# Altium PCB OpenPLCv0.2.0.PcbDoc (part 4 of 6) (continued)
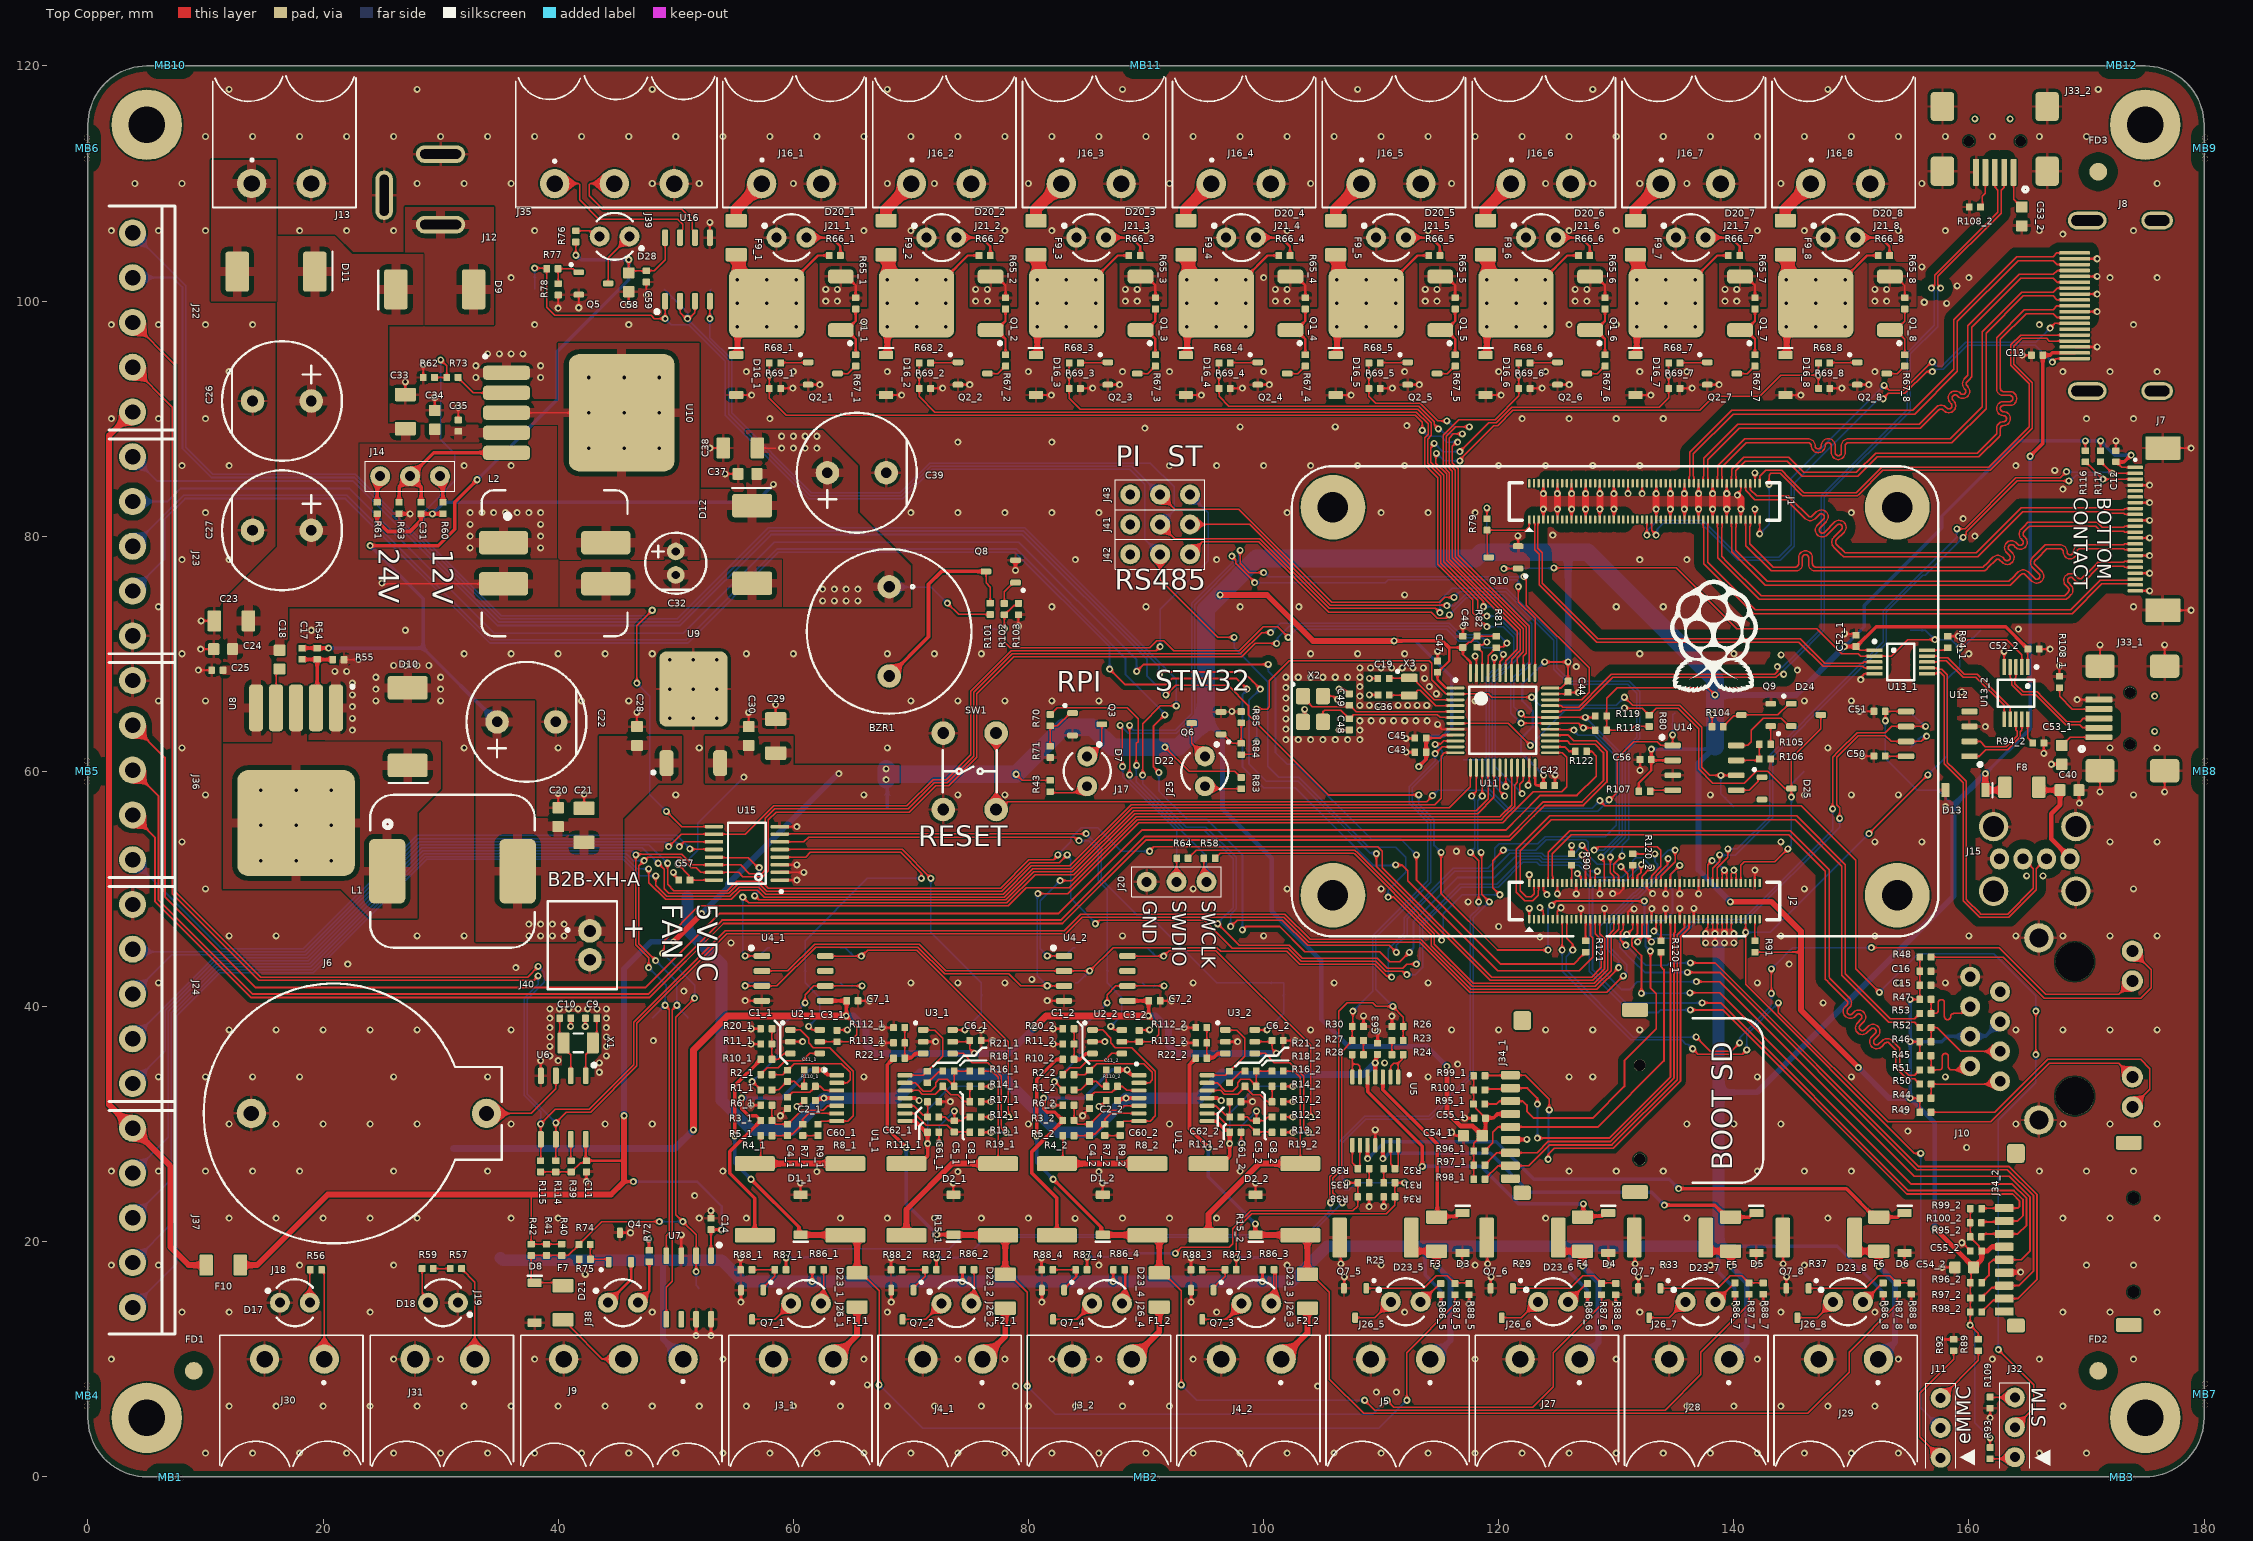
[diagram p0: Top Copper view]
## Nets (pads, with @x,y where several pads share a name; then routed paths per layer and width w, separated by ;. In a path a pad name is that pad's centre, name@x,y a point inside that pad or via, vN(x,y) a via of type N, cw(c..) or ccw(c..) an arc to the next point about the centre after c; other vN are vias at no path point) (continued)
GPIO6: J2.30 R70.2 | length 71.6
  Top Copper w0.127: R70.2@81.85,64.83 81.875,64.83 82.435,65.39 88.425,65.39 89.323,64.493 89.323,62.522 89.168,62.367 89.168,60.532 v1(89.2,60.5) ; v1(96.1,47.034) 97.934,45.2 102.204,45.2 103.299,44.105 109.654,44.105 110.503,43.256 111.825,43.256 112.169,43.6 v1(113,43.6) ; J2.30@128.2,50.5 128.2,51.194 128.4,51.394 v1(128.4,51.5)
  Bottom Copper w0.127: v1(89.2,60.5) 89.168,60.468 89.168,59.131 93.299,55 94.972,55 97.403,52.57 97.403,48.402 96.1,47.1 v1(96.1,47.034) ; v1(113,43.6) 113.3,43.9 113.3,47.004 116.709,50.413 119.85,50.413 120.12,50.683 121.942,52.505 123.407,52.505 123.658,52.254 126.952,52.254 127.706,51.5 v1(128.4,51.5)
GPIO7: J2.37 R58.2 | length 43.7
  Top Copper w0.127: R58.2@95.88,52.6 95.88,52.625 96.101,52.846 96.126,52.846 96.326,53.046 107.669,53.046 107.743,52.972 114.522,46.193 114.522,45.278 117.845,41.956 128.121,41.956 129.274,43.109 129.274,43.9 129.274,45.986 129.8,46.512 J2.37@129.8,47.42
GPIO8: J2.39 J42.2 R77.2 TP49.1 U16.1 | length 145.4
  Top Copper w0.127: v1(38,102.8) 38.97,102.8 R77.2@39.02,102.75 39.02,99.48 39.7,98.8 47.895,98.8 48.19,98.505 v1(49.095,98.505) U16.1@49.095,100 ; J42.2@91.2,78.46 91.2,76.3 96.1,71.4 v1(97.5,71.4) ; v1(110.6,49.3) 111.056,49.3 114.268,46.087 114.268,45.172 117.739,41.702 128.226,41.702 129.561,43.037 129.561,45.914 130.2,46.553 J2.39@130.2,47.42
  Bottom Copper w0.127: TP49.1@38,101 v1(38,102.8) ; v1(49.095,98.505) 49.613,97.987 51.094,97.987 54.221,94.861 54.221,90.279 61.3,83.2 69.3,83.2 71.8,85.7 88.6,85.7 89.9,84.4 89.9,79.76 J42.2@91.2,78.46 ; v1(97.5,71.4) 97.5,70.49 100.357,67.633 100.357,60.443 101.305,59.495 102.995,59.495 108.933,53.557 111.244,53.557 112.1,52.7 112.1,51.4 110.6,49.9 v1(110.6,49.3)
GPIO9: J2.40 J41.2 TP48.1 U16.4 | length 126.6
  Top Copper w0.127: v1(52.9,98.5) 52.903,98.503 52.903,100.003 U16.4@52.905,100 ; J41.2@91.2,81 92.43,79.77 99.69,79.77 105.582,73.877 114.623,73.877 v1(115,73.5) ; J2.40@130.2,50.5 130.2,51.1 129.787,51.513 129.787,52.087 v1(130.5,52.8)
  Bottom Copper w0.127: TP48.1@53,101 52.95,100.95 52.95,98.55 v1(52.9,98.5) 52.9,96.9 54.746,95.054 54.746,90.496 61.534,83.708 69.09,83.708 71.606,86.224 90.376,86.224 92.4,84.2 92.4,82.2 J41.2@91.2,81 ; v1(115,73.5) 115,74.5 116.057,75.557 120.66,75.557 123.618,72.6 124.954,71.264 124.954,68.805 126.105,67.654 128.9,67.654 130.446,67.654 131.105,67.654 132,66.759 132,66.1 132,62.8 131.058,61.858 131.058,54.269 130.5,53.712 v1(130.5,52.8)
GPIO10: J2.44 R64.2 | length 51
  Top Copper w0.127: R64.2@93.58,52.6 93.58,52.625 94.255,53.3 107.774,53.3 107.997,53.077 111.267,49.807 115.085,45.989 115.085,45.69 v1(115.138,45.638) ; v1(120.1,49.5) 119.5,50.1 119.5,52.4 v1(120.4,53.3) ; v1(130.4,51.9) 131,51.3 J2.44@131,50.5
  Bottom Copper w0.127: v1(115.138,45.638) 115.219,45.719 115.219,46.085 115.3,46.167 115.3,47.9 116.9,49.5 v1(120.1,49.5) ; v1(120.4,53.3) 123.159,53.3 124.059,54.2 127.4,54.2 127.634,53.966 127.634,52.866 128.4,52.1 130.089,52.1 130.289,51.9 v1(130.4,51.9)
GPIO11: J2.38 J43.2 TP50.1 U16.2 U16.3 | length 125.1
  Top Copper w0.127: U16.2@50.365,100 50.365,99.021 50.886,98.5 v1(51,98.5) 51.114,98.5 51.635,99.021 U16.3@51.635,100 ; J43.2@91.2,83.54 92.44,82.3 97.878,82.3 105.793,74.385 114.985,74.385 115.4,74.8 v1(116.2,74.8) ; v1(129.5,52.7) 129.5,51.39 129.8,51.09 J2.38@129.8,50.5
  Bottom Copper w0.127: TP50.1@49,101 51,99 51,98.441 54.492,94.949 54.492,90.391 61.429,83.454 69.195,83.454 71.711,85.97 88.769,85.97 J43.2@91.2,83.54 ; v1(116.2,74.8) 116.67,75.27 120.588,75.27 123.258,72.6 124.7,71.158 124.7,68.7 126,67.4 128.9,67.4 131,67.4 131.746,66.654 131.746,62.905 130.771,61.93 130.771,54.388 129.5,53.117 v1(129.5,52.7)
GPIO12: J2.31 J22.4 | length 175.5
  Top Copper w0.16: v1(91.144,68.22) 91.216,68.22 91.436,68.44 98.276,68.44 99.071,67.646 v1(99.724,66.992) ; v1(109.6,53) 109.6,51.917 119.291,42.226 128.009,42.226 129.003,43.221 129.003,45.779 128.6,46.183 J2.31@128.6,47.42
  Bottom Copper w0.16: J22.4@3.8,101.99 7.227,101.99 8.03,101.188 8.03,87.471 10.506,84.994 22.643,84.994 34.943,72.694 50.257,72.694 57.992,80.43 79.588,80.43 91.1,68.917 91.1,68.264 v1(91.144,68.22) ; v1(99.724,66.992) 98.76,66.028 98.76,60.632 100.232,59.16 102.947,59.16 104.1,58.007 105.907,56.2 109.06,53.047 109.553,53.047 v1(109.6,53)
GPIO13: J2.28 J22.5 | length 186.3
  Top Copper w0.127: v1(89.721,59.682) 89.721,64.065 91.227,65.572 v1(92.572,65.572) ; v1(97.2,46.8) 97.746,47.346 101.595,47.346 103.749,45.192 110.708,45.192 v1(111.298,44.602) ; v1(127.1,53.7) 127.59,53.209 127.59,52.91 127.8,52.7 J2.28@127.8,50.5
  Bottom Copper w0.127: J22.5@3.8,105.8 8.3,101.3 8.3,87.583 10.618,85.264 22.755,85.264 35.055,72.964 50.145,72.964 57.88,80.7 79.7,80.7 92.572,67.828 v1(92.572,65.572) ; v1(89.721,59.682) 89.721,58.937 93.404,55.254 95.077,55.254 97.657,52.675 97.657,48.297 97.2,47.841 v1(97.2,46.8) ; v1(111.298,44.602) 111.3,44.603 111.3,45.2 112.213,46.113 112.213,47.454 116.259,51.5 119.4,51.5 120.12,52.22 120.946,53.046 123.654,53.046 123.905,52.795 126.195,52.795 v1(127.1,53.7)
GPIO14: J2.55 TP27.1 U12.6 | length 37.2
  Top Copper w0.127: v1(133.194,46.4) 133.2,46.4 133.4,46.6 J2.55@133.4,47.42 ; v1(148.399,56.799) 148.399,61.199 148.9,61.7 150.5,63.3 152.9,63.3 153.42,63.82 U12.6@154.65,63.82 v1(156.32,63.82)
  Bottom Copper w0.127: v1(133.194,46.4) 133.288,46.4 133.588,46.1 135.341,46.1 136.641,47.4 140.8,47.4 148.434,55.034 148.434,56.764 v1(148.399,56.799) ; TP27.1@155,65 155.07,65 156.25,63.82 v1(156.32,63.82)
GPIO15: J2.51 TP28.1 U12.7 | length 38.8
  Top Copper w0.127: J2.51@132.6,47.42 132.6,45.9 v1(133,45.5) ; v1(149,56) 149,56.892 148.754,57.138 148.754,61.195 150.605,63.046 152.897,63.046 153.393,62.55 155.95,62.55 v1(156.4,63)
  Bottom Copper w0.127: v1(133,45.5) 133.3,45.8 135.4,45.8 136.746,47.146 140.905,47.146 149,55.241 v1(149,56) ; TP28.1@155,62 155.91,62.91 156.309,62.91 v1(156.4,63)
GPIO16: J2.29 J24.2 | length 148.5
  Top Copper w0.127: v1(49.3,52.181) 49.3,50.375 49.813,49.862 54.384,49.862 55.184,50.662 57.256,50.662 57.848,50.07 77.633,50.07 80.033,52.47 82.147,52.47 82.5,52.823 v1(82.5,52.9) ; v1(90.3,53.2) 90.3,53.252 90.648,53.6 109.7,53.6 110.1,53.2 110.1,51.8 119.403,42.497 127.897,42.497 128.733,43.333 128.733,45.667 128.2,46.2 J2.29@128.2,47.42
  Bottom Copper w0.127: J24.2@3.8,37.25 10.688,44.138 18.642,44.138 28.274,53.77 47.711,53.77 v1(49.3,52.181) ; v1(82.5,52.9) 83.6,54 83.6,54.3 84.5,55.2 85.9,55.2 87.9,53.2 v1(90.3,53.2)
GPIO17: J2.50 J24.1 | length 160.1
  Top Copper w0.127: v1(48.5,52.181) 49,51.68 49,50 49.392,49.608 54.49,49.608 55.29,50.408 57.151,50.408 57.743,49.816 77.738,49.816 80.138,52.216 82.616,52.216 v1(83.3,52.9) ; v1(85.7,47.034) 85.735,47.034 86.047,47.346 94.954,47.346 97.354,44.946 102.098,44.946 103.193,43.851 109.549,43.851 110.397,43.002 111.809,43.002 112.111,42.7 v1(112.2,42.7) ; J2.50@132.2,50.5 132.2,51.094 132.906,51.8 v1(133,51.8)
  Bottom Copper w0.127: J24.1@3.8,33.44 6.584,36.224 6.584,39.675 10.793,43.884 18.747,43.884 28.379,53.516 47.165,53.516 v1(48.5,52.181) ; v1(83.3,52.9) 83.3,52.806 83.6,52.506 83.6,49.2 85.7,47.1 v1(85.7,47.034) ; v1(112.2,42.7) 112.9,42.7 113.554,43.354 113.554,46.898 116.815,50.159 119.955,50.159 120.12,50.324 122.047,52.251 123.231,52.251 123.482,52 126.8,52 127.8,51 130.5,51 131.4,51.9 131.4,52.384 131.65,52.634 132.26,52.634 133,51.894 v1(133,51.8)
GPIO18: J2.49 J23.5 | length 167.7
  Top Copper w0.16: v1(91.7,66.5) 92.52,67.32 96.98,67.32 98.704,65.596 98.704,64.814 105.518,58 v1(113.2,58) ; v1(115.1,53.1) 115.1,49.6 119.9,44.8 120.12,44.8 v1(124.2,44.8) ; v1(124.5,48.6) 124.86,48.96 v1(132.4,48.96) ; v1(131.827,45.5) 131.827,45.546 132.2,45.919 J2.49@132.2,47.42
  Bottom Copper w0.16: J23.5@3.8,86.76 5.853,84.707 22.524,84.707 34.824,72.407 50.376,72.407 58.111,80.143 79.469,80.143 90.099,69.512 90.099,68.101 v1@91.693,66.507 ; v1(113.2,58) 113.2,57.2 114.5,55.9 114.5,53.7 v1(115.1,53.1) ; v1(124.2,44.8) 124.2,48.286 124.5,48.586 v1(124.5,48.6) ; v1(131.827,45.5) 131.827,45.546 132.4,46.119 v1(132.4,48.96)
GPIO19: J2.26 J23.3 | length 165.5
  Top Copper w0.16: v1(91.1,59.9) 90.654,60.346 90.654,63.863 v1(91.6,64.808) ; v1(98.2,46.507) 98.221,46.507 98.514,46.8 101.372,46.8 103.524,44.649 109.879,44.649 110.728,43.8 111.6,43.8 v1(112.4,44.6) ; v1(127.1,52.9) 127.1,52.781 127.4,52.481 J2.26@127.4,50.5
  Bottom Copper w0.16: J23.3@3.8,79.14 8.147,83.487 22.019,83.487 34.319,71.187 50.881,71.187 58.617,78.923 78.964,78.923 88.254,69.632 88.254,68.246 91.6,64.9 v1(91.6,64.808) ; v1(91.1,59.9) 91.1,58.326 93.512,55.914 95.186,55.914 98.2,52.9 v1(98.2,46.507) ; v1(112.4,44.6) 112.4,44.615 112.757,44.972 112.757,47.229 116.484,50.957 119.625,50.957 120.12,51.452 121.444,52.776 123.519,52.776 123.77,52.524 126.712,52.524 127.087,52.9 v1(127.1,52.9)
GPIO20: J2.27 J23.2 | length 162.7
  Top Copper w0.16: v1(86.9,68.7) 88.2,67.4 91.71,67.4 92.19,67.88 97.72,67.88 v1(98.6,67) ; v1(111.24,52.04) 111.26,52.02 111.78,52.02 112.262,51.538 112.262,50.706 119.929,43.04 126.84,43.04 128,44.2 128,45.834 127.8,46.034 J2.27@127.8,47.42
  Bottom Copper w0.16: J23.2@3.8,75.33 6.5,78.03 6.5,81.434 8.266,83.2 21.9,83.2 34.2,70.9 51,70.9 58.736,78.636 78.845,78.636 86.9,70.58 v1(86.9,68.7) ; v1(98.6,67) 98.6,66.9 98.2,66.5 98.2,60.4 100,58.6 102.715,58.6 104.1,57.215 105.115,56.2 109.315,52 111.2,52 v1(111.24,52.04)
GPIO21: J2.25 R121.1 | length 1.8
  Top Copper w0.16: R121.1@127.4,45.58 J2.25@127.4,47.42
GPIO22: J2.46 R120_2.2 | length 1.5
  Top Copper w0.16: J2.46@131.4,50.5 R120_2.2@131.4,52.02
GPIO23: J2.47 J34_2.3 R95_2.1 | length 53.4
  Top Copper w0.16: J2.47@131.8,47.42 131.8,46.19 131.32,45.71 131.32,45.433 131.325,45.428 131.325,45.151 132.143,44.333 132.143,43.9 v1(132.143,41.118) ; v1(136.261,41.162) 138.807,41.162 155.076,24.893 163.678,24.893 164.9,23.671 164.9,21.4 164.15,20.65 J34_2.3@163,20.65 161.285,20.65 161.06,20.425 R95_2.1@161.06,20.4
  Bottom Copper w0.16: v1(132.143,41.118) 136.218,41.118 v1(136.261,41.162)
GPIO24: J2.45 J34_2.7 R97_2.1 | length 58.6
  Top Copper w0.16: v1(130.879,46.121) 130.921,46.121 131.4,46.6 J2.45@131.4,47.42 ; v1(136.053,42.894) 136.057,42.898 138.796,42.898 155.581,26.113 163.27,26.113 165.5,23.883 165.5,17.5 164.25,16.25 J34_2.7@163,16.25 162.835,16.085 161.94,16.085 161.08,15.225 R97_2.1@161.08,15.2
  Bottom Copper w0.16: v1(130.879,46.121) 130.879,46.079 130.3,45.5 130.3,45.019 131.419,43.9 132.425,42.894 v1(136.053,42.894)
GPIO25: J2.41 J34_2.8 R98_2.1 | length 59.5
  Top Copper w0.16: J2.41@130.6,47.42 130.6,46.558 130.372,46.331 130.372,45.628 130.782,45.218 v1(130.818,45.218) ; v1(136.3,43.7) 138.4,43.7 155.7,26.4 163.389,26.4 165.8,23.989 165.8,16.8 164.15,15.15 J34_2.8@163,15.15 162.849,14.999 162.054,14.999 161.08,14.025 R98_2.1@161.08,14
  Bottom Copper w0.16: v1(130.818,45.218) 130.818,45.188 132.106,43.9 132.506,43.5 134.35,43.5 134.55,43.7 v1(136.3,43.7)
GPIO26: J2.24 J34_2.1 R99_2.1 | length 58.2
  Top Copper w0.16: v1(126.7,51.3) 127,51 J2.24@127,50.5 ; v1(136.3,39.7) 139.071,39.7 154.725,24.046 163.714,24.046 164.313,23.447 164.313,23.013 164.15,22.85 J34_2.1@163,22.85 162.979,22.829 R99_2.1@161.109,22.829
  Bottom Copper w0.16: v1(126.7,51.3) 127.7,50.3 127.7,43.9 127.7,42.994 131.194,39.5 133.588,39.5 133.788,39.7 v1(136.3,39.7)
GPIO27: J2.48 J34_2.2 R100_2.1 | length 63.5
  Top Copper w0.16: J2.48@131.8,50.5 131.8,51.1 132.111,51.411 132.111,52.037 v1(132.137,52.063) ; v1(137.3,40.3) 138.877,40.3 154.844,24.333 163.833,24.333 164.6,23.566 164.6,22.2 164.15,21.75 J34_2.2@163,21.75 162.929,21.679 R100_2.1@161.139,21.679
  Bottom Copper w0.16: v1(132.137,52.063) 132.137,52.031 130.819,50.713 128.513,50.713 127.987,50.187 127.987,43.9 127.987,43.113 130.8,40.3 v1(137.3,40.3)
GPIO_VREF: J2.78 J2.84 J2.86 | length 5.8
  Top Copper w0.127: J2.78@137.8,50.5 137.8,52.042 138.156,52.397 v1(138.156,52.408) ; J2.84@139,50.5 139,51.4 v1(139.2,51.6) 139.4,51.4 J2.86@139.4,50.5
  Bottom Copper w0.127: v1(138.156,52.408) 138.245,52.319 138.481,52.319 v1(139.2,51.6)
H: J32.1 R93.1 | length 2.2
  Top Copper w0.127: R93.1@161.8,1.52 163.76,1.52 J32.1@163.9,1.66
HDMI0.CEC: J1.51 J8.13 | length 51.9
  Top Copper w0.127: v1(132.6,80.1) J1.51@132.6,81.42 ; v1(152.785,92.827) 153.212,92.4 154.4,92.4 156.8,94.8 v1(156.9,94.8) ; v1(166.9,97.7) 167.3,98.1 J8.13@169,98.1
  Bottom Copper w0.127: v1(132.6,80.1) 132.691,80.191 132.691,80.491 133.545,81.345 137.355,81.345 140.5,78.2 143.833,78.2 144.9,79.267 144.9,84.942 v1(152.785,92.827) ; v1(156.9,94.8) v1(156.9,94.8) 157.248,94.454 157.695,94.454 159.741,96.5 165.5,96.5 165.7,96.5 v1(166.9,97.7)
HDMI0.CLK_N: J1.90 J8.12 | length 44.5
  Top Copper w0.127: J1.90@140.2,84.5 140.2,85.082 140.163,85.119 140.163,85.563 140.973,86.373 144.544,86.373 145.817,85.1 150.562,85.1 152.205,86.743 160.843,86.743 162.516,88.416 162.675,88.575 162.675,89.149 cw(c162.938,89.149) 162.938,89.412 ccw(c162.939,90.003) 162.939,90.593 cw(c162.938,90.857) 162.938,91.12 163.473,91.12 ccw(c163.473,91.711) 163.473,92.301 162.938,92.301 cw(c162.938,92.565) 162.675,92.565 162.675,94.5 162.675,96.754 164.858,98.937 167.164,98.937 167.5,98.6 J8.12@169,98.6
HDMI0.CLK_P: J1.88 J8.10 | length 45
  Top Copper w0.127: J1.88@139.8,84.5 139.8,85.082 139.836,85.119 139.836,85.699 140.838,86.7 144.68,86.7 145.953,85.427 150.427,85.427 152.07,87.07 160.708,87.07 162.184,88.547 162.348,88.71 162.348,89.149 cw(c162.938,89.149) 162.938,89.739 ccw(c162.939,90.003) 162.939,90.266 cw(c162.938,90.857) 162.938,91.447 163.473,91.447 ccw(c163.473,91.711) 163.473,91.974 162.938,91.974 cw(c162.938,92.565) 162.348,92.565 162.348,94.5 162.348,96.889 164.723,99.264 167.164,99.264 167.489,99.589 168.989,99.589 J8.10@169,99.6
HDMI0.D0_N: J1.84 J8.9 | length 44.5
  Top Copper w0.127: J1.84@139,84.5 139,85.082 138.963,85.119 138.963,85.864 141.059,87.959 144.699,87.959 146.326,87.959 cw(c146.326,87.695) 146.589,87.695 ccw(c147.18,87.695) 147.77,87.695 cw(c148.034,87.695) 148.297,87.695 148.297,87.111 ccw(c148.888,87.111) 149.478,87.111 149.478,87.695 cw(c149.742,87.695) 149.742,87.959 151.677,87.959 158.559,87.959 161.459,90.859 161.459,97.257 164.638,100.437 165.173,100.437 167.164,100.437 167.489,100.111 168.989,100.111 J8.9@169,100.1
HDMI0.D0_P: J1.82 J8.7 | length 45
  Top Copper w0.127: J1.82@138.6,84.5 138.6,85.082 138.636,85.119 138.636,85.999 140.924,88.286 144.699,88.286 146.326,88.286 cw(c146.326,87.695) 146.916,87.695 ccw(c147.18,87.695) 147.443,87.695 cw(c148.034,87.695) 148.624,87.695 148.624,87.111 ccw(c148.888,87.111) 149.151,87.111 149.151,87.695 cw(c149.742,87.695) 149.742,88.286 151.677,88.286 158.424,88.286 161.132,90.994 161.132,97.393 164.503,100.764 167.164,100.764 167.5,101.1 J8.7@169,101.1
HDMI0.D1_N: J1.78 J8.6 | length 44.5
  Top Copper w0.127: J1.78@137.8,84.5 137.8,85.082 137.763,85.119 137.763,86.481 140.457,89.175 155.875,89.175 156.001,89.301 156.161,89.461 ccw(c156.046,89.577) 156.162,89.462 157.435,90.735 cw(c157.623,90.55) 157.809,90.736 ; 157.81,90.736 157.866,90.679 ccw(c158.284,91.097) 158.7,90.678 ; 158.644,91.571 cw(c158.83,91.758) 159.017,91.943 ; 158.645,91.571 158.701,91.514 cw(c158.284,91.097) 158.702,90.68 ; 159.018,91.943 159.057,91.904 ccw(c159.476,92.32) 159.941,92.684 159.941,92.69 159.852,92.778 cw(c160.038,92.965) 159.852,93.152 ; 159.853,93.153 160.012,93.312 160.243,93.543 160.243,97.761 164.419,101.937 167.163,101.937 167.5,101.6 J8.6@169,101.6
HDMI0.D1_P: J1.76 J8.4 | length 45
  Top Copper w0.127: J1.76@137.4,84.5 137.4,85.082 ; 137.436,85.082 137.436,86.617 140.322,89.502 155.74,89.502 155.77,89.533 155.93,89.693 cw(c156.046,89.577) 155.931,89.694 157.204,90.967 cw(c157.623,90.55) 158.04,90.967 158.096,90.911 ; 158.097,90.911 ccw(c158.284,91.097) 158.47,90.91 ccw(c158.284,91.097) 158.47,91.283 ; 158.469,91.284 158.413,91.34 cw(c158.83,91.758) 159.194,92.223 159.2,92.223 159.289,92.135 ; 159.289,92.134 ccw(c159.476,92.32) 159.661,92.507 ; 159.661,92.508 159.622,92.547 cw(c160.038,92.965) 159.621,93.384 159.781,93.543 159.916,93.678 159.916,97.896 164.283,102.264 167.164,102.264 167.5,102.6 J8.4@169,102.6
HDMI0.D2_N: J1.72 J8.3 | length 44.4
  Top Copper w0.127: 136.563,85.082 136.563,87.001 139.953,90.391 155.371,90.391 159.027,94.047 159.027,98.265 164.199,103.437 165.5,103.437 167.163,103.437 167.5,103.1 J8.3@169,103.1 ; J1.72@136.6,84.5 136.6,85.082
HDMI0.D2_P: J1.70 J8.1 | length 44.9
  Top Copper w0.127: J1.70@136.2,84.5 136.2,85.082 136.236,85.119 136.236,87.136 139.818,90.718 155.236,90.718 158.7,94.182 158.7,98.4 164.063,103.764 165.5,103.764 167.164,103.764 167.489,104.089 168.989,104.089 J8.1@169,104.1
HDMI0.HPD: J1.53 J8.19 | length 50.5
  Top Copper w0.127: J1.53@133,81.42 133,80.5 v1(133.4,80.1) ; v1(152.7,91.673) 152.7,91.7 153.146,92.146 154.546,92.146 156.4,94 v1(156.9,94) ; v1(167.1,94.8) 167.4,95.1 J8.19@169,95.1
  Bottom Copper w0.127: v1(133.4,80.1) 133.491,80.191 133.491,80.59 133.991,81.091 137.25,81.091 140.395,77.946 143.938,77.946 145.154,79.162 145.154,84.495 152.305,91.646 152.673,91.646 v1(152.7,91.673) ; v1(156.9,94) 157.011,94 157.211,94.2 157.8,94.2 159.846,96.246 165.5,96.246 165.654,96.246 v1(167.1,94.8)
HDMI0.SCL: J1.100 J8.15 | length 40.3
  Top Copper w0.127: J1.100@142.2,84.5 142.218,84.518 142.218,85.118 142.7,85.6 144.06,85.6 144.68,84.98 145.86,83.8 145.976,83.684 150.404,83.684 150.52,83.8 152.574,85.854 161.695,85.854 165.146,89.305 165.146,92.954 163.564,94.536 163.564,96.264 164.4,97.1 J8.15@169,97.1
HDMI0.SDA: J1.99 J8.16 | length 45.4
  Top Copper w0.127: v1(142.2,80.2) J1.99@142.2,81.42 ; v1(143,84.4) 143,85.2 143.146,85.346 143.955,85.346 144.68,84.621 145.755,83.546 145.871,83.43 150.509,83.43 150.625,83.546 152.679,85.6 161.8,85.6 165.4,89.2 165.4,93.059 163.818,94.641 163.818,96.159 164.505,96.846 166.6,96.846 166.846,96.6 J8.16@169,96.6
  Bottom Copper w0.127: v1(142.2,80.2) 143,81 v1(143,84.4)
HDMI1_CEC: J1.49
HDMI1_CLK_N: J1.66
HDMI1_CLK_P: J1.64
HDMI1_HOTPLUG: J1.43
HDMI1_SCL: J1.47
HDMI1_SDA: J1.45
HDMI1_TX0_N: J1.60
HDMI1_TX0_P: J1.58
HDMI1_TX1_N: J1.54
HDMI1_TX1_P: J1.52
HDMI1_TX2_N: J1.48
HDMI1_TX2_P: J1.46
I2C0.SCL: J2.80 J7.3 R116.1 | length 58.4
  Top Copper w0.127: J2.80@138.2,50.5 138.2,51.759 138.8,52.359 v1(138.8,52.9) ; v1(159.5,79.9) 159.5,79.905 159.792,80.197 159.792,80.392 164.1,84.7 v1(168.5,84.7) ; R116.1@169.9,86.32 169.925,86.32 v1(171.395,84.85) J7.3@174.15,84.85
  Bottom Copper w0.127: v1(138.8,52.9) 138.829,52.871 140.13,52.871 140.959,53.7 143.3,56.041 143.3,61.259 148.9,66.859 152.954,70.913 152.954,72 152.954,73.554 156.082,76.682 156.282,76.682 v1(159.5,79.9) ; v1(168.5,84.7) 168.614,84.7 169.114,85.2 171.045,85.2 v1(171.395,84.85)
I2C0.SDA: J2.82 J7.2 R117.1 | length 57.7
  Top Copper w0.127: J2.82@138.6,50.5 138.6,51.8 139.5,52.7 v1(139.5,53.4) ; v1(158.97,80.63) 159.67,80.63 163.995,84.954 167.754,84.954 v1(168.3,85.5) ; R117.1@171.2,86.32 171.225,86.32 v1(172.195,85.35) J7.2@174.15,85.35
  Bottom Copper w0.127: v1(139.5,53.4) 140.3,53.4 143.046,56.146 143.046,61.364 148.9,67.218 152.7,71.018 152.7,72 152.7,73.659 158.97,79.93 v1(158.97,80.63) ; v1(168.3,85.5) 168.346,85.454 171.977,85.454 172.081,85.35 v1(172.195,85.35)
I2C1_SCL: J37.4 R81.1 TP47.1 U7.4 U11.45 U15.14 | length 191.2
  Top Copper w0.127: v1(47.695,43.305) 47.695,44.145 46.6,45.241 v1(46.6,52.9) 46.654,52.954 50.505,52.954 51.409,52.05 U15.14@53.25,52.05 55.509,52.05 56.259,51.3 57.3,51.3 57.63,51.63 57.63,55.99 58.441,56.8 69.759,56.8 72.005,59.046 73.097,59.046 75.346,61.295 75.346,66.705 78.638,69.997 98.038,69.997 99.841,71.8 v1(100.6,71.8) ; v1(49.1,40.1) 49.446,39.754 49.446,20.756 49.195,20.505 U7.4@49.195,18.8 ; U11.45@119.1,68.355 119.1,69.82 119.553,70.274 119.553,70.299 119.775,70.52 R81.1@119.8,70.52 119.856,70.576 120.376,70.576 v1(120.7,70.9)
  Bottom Copper w0.127: J37.4@3.8,25.83 6.838,28.868 6.838,39.57 10.898,43.63 18.852,43.63 28.484,53.262 46.238,53.262 v1(46.6,52.9) ; v1(47.695,43.305) 47.695,43.286 49.2,41.782 49.2,41.1 49.1,41 v1(49.1,40.1) TP47.1@48,39 ; v1(100.6,71.8) 101.4,72.6 115.8,72.6 116.8,71.6 120,71.6 v1(120.7,70.9)
I2C1_SDA: J37.3 R82.1 TP46.1 U7.5 U11.46 U15.15 | length 198.5
  Top Copper w0.127: v1(48.295,43.905) 46.854,45.346 46.854,51.954 v1(47.3,52.4) 47.348,52.4 47.648,52.7 50.4,52.7 51.304,51.796 51.733,51.796 52.129,51.4 U15.15@53.25,51.4 55.356,51.4 55.71,51.046 57.405,51.046 57.884,51.525 57.884,55.884 58.538,56.538 69.856,56.538 72.11,58.792 73.202,58.792 75.6,61.19 75.6,66.6 78.744,69.743 98.143,69.743 99.273,70.873 v1(101.115,70.873) ; U7.5@49.195,13.4 49.195,16.105 49.7,16.61 49.7,39.7 v1(50.1,40.1) ; R82.1@118.15,70.55 R82.1@118.175,70.55 ; U11.46@118.6,68.355 118.6,70.125 R82.1@118.175,70.55 ; v1(119,71) 118.886,71 118.65,70.765 118.39,70.765 R82.1@118.175,70.55
  Bottom Copper w0.127: J37.3@3.8,22.02 7.092,25.312 7.092,39.464 11.004,43.376 18.958,43.376 28.59,53.008 45.795,53.008 46.403,52.4 v1(47.3,52.4) ; v1(48.295,43.905) 50.1,42.1 v1(50.1,40.1) 50.1,40 51,39.1 TP46.1@51,39 ; v1(101.115,70.873) 101.205,70.963 101.205,71.363 102.188,72.346 115.695,72.346 116.695,71.346 118.654,71.346 v1(119,71)
ID_SC: J2.35
ID_SD: J2.36
IN_1: F3.2 J5.1 R25.2 | length 14.2
  Top Copper w0.127: R25.2@112.574,20.332 112.574,19.756 113.131,19.2 113.211,19.2
  Top Copper w0.5: R25.2@112.574,19.756 112.574,19.557 112.949,19.182 F3.2@114.724,19.182 v1(114.724,17.924)
  Bottom Copper w0.5: J5.1@114.524,10 114.524,10.217 115.9,11.593 115.9,16.748 v1(114.724,17.924)
IN_2: F4.2 J27.1 R29.2 | length 14.2
  Top Copper w0.127: R29.2@125.074,20.332 125.074,19.756 125.631,19.2 R29.2@125.681,19.2
  Top Copper w0.5: R29.2@125.074,19.756 125.074,19.557 125.449,19.182 F4.2@127.124,19.182 127.142,19.165 v1(127.142,17.906)
  Bottom Copper w0.127: J27.1@127.104,10 J27.1@127.142,10.038
  Bottom Copper w0.5: J27.1@127.104,10 127.104,10.036 128.5,11.432 128.5,16.548 v1(127.142,17.906)
IN_3: F5.2 J28.1 R33.2 | length 13.4
  Top Copper w0.5: R33.2@137.624,20.332 137.624,19.557 137.999,19.182 F5.2@139.724,19.182 139.741,19.165 v1(139.741,17.906)
  Bottom Copper w0.127: J28.1@139.704,10 J28.1@139.723,10.019 ; v1@139.723,17.888 v1(139.741,17.906)
  Bottom Copper w0.5: J28.1@139.704,10 139.704,10.036 141.1,11.432 141.1,16.548 v1(139.741,17.906)
IN_4: F6.2 J29.1 R37.2 | length 13.3
  Top Copper w0.127: F6.2@152.323,19.181 F6.2@152.324,19.182
  Top Copper w0.5: R37.2@150.274,20.332 150.274,19.557 150.649,19.182 152.321,19.182 152.323,19.181 v1(152.323,17.888)
  Bottom Copper w0.127: J29.1@152.304,10 J29.1@152.323,10.019
  Bottom Copper w0.5: J29.1@152.304,10 152.304,10.036 153.7,11.432 153.7,16.51 v1(152.323,17.888)
L: J32.3 R109.2 | length 2.1
  Top Copper w0.127: R109.2@161.8,6.78 161.84,6.74 J32.3@163.9,6.74
LED: R84.2 TP44.1 U11.2 U14.6 | length 59.2
  Top Copper w0.127: R84.2@98.2,61.438 99.138,61.438 99.4,61.7 v1(99.4,62.5) ; v1(99.4,65.3) 100.3,65.3 100.5,65.5 100.5,67.7 102.2,69.4 114.1,69.4 114.299,69.201 114.299,67.8 115.501,66.599 116.306,66.599 U11.2@116.325,66.58 119.12,66.58 119.4,66.3 v1(122.8,66.3) ; v1(130.7,66.3) 131.4,65.6 135.4,65.6 137.254,63.746 137.254,60.346 137.938,59.662 v1(138.897,59.662) U14.6@140.2,59.662
  Bottom Copper w0.127: v1(99.4,62.5) v1(99.4,65.3) ; v1(122.8,66.3) 123.5,65.6 130,65.6 v1(130.7,66.3) ; v1(138.897,59.662) 138.897,58.103 TP44.1@140,57
M\R\: SW1.1 SW1.2 TP45.1 U14.1 | length 72.6
  Top Copper w0.127: SW1.1@77.25,63.25 SW1.2@77.25,56.75 77.586,56.75 78.26,57.424 113.866,57.424 v1(114.371,57.929) ; v1(129.4,57.579) 129.479,57.579 130.1,58.2 130.1,61.1 131.5,62.5 133.481,62.5 133.78,62.201 U14.1@134.799,62.201 ; U14.1@134.8,62.202 v1(134.8,63.1)
  Bottom Copper w0.127: v1(114.371,57.929) 114.842,58.4 118.9,58.4 120.7,56.6 128.421,56.6 128.9,57.079 v1(129.4,57.579) ; v1(134.8,63.1) 134.8,64.8 TP45.1@135,65
M\U\X\_\O\E\_1: R94_1.2 U13_1.10 | length 1.9
  Top Copper w0.127: U13_1.10@156.425,70.3 157.98,70.3 R94_1.2@158.2,70.52
M\U\X\_\O\E\_2: R94_2.2 U13_2.10 | length 2.2
  Top Copper w0.127: U13_2.10@165,64.425 165,62.845 165.42,62.425 R94_2.2@165.42,62.4
MCU_SPI_MISO: J36.3 U11.27 | length 153
  Top Copper w0.16: J36.3@3.8,60.1 5.987,57.913 5.987,49.079 14.024,41.043 47.643,41.043 53.943,47.343 82.768,47.343 89.868,54.443 120.837,54.443 122.594,56.2 123.787,57.392 127.087,57.392 128.9,59.206 128.9,61.594 128.194,62.3 126.1,62.3 125.82,62.58 U11.27@124.375,62.58
MCU_SPI_MOSI: J36.2 U11.28 | length 150.6
  Top Copper w0.16: J36.2@3.8,56.29 5.7,54.39 5.7,48.96 13.905,40.756 47.761,40.756 54.061,47.056 82.887,47.056 89.975,54.143 120.943,54.143 123,56.2 123.905,57.105 127.205,57.105 129.2,59.1 129.2,61.7 128.3,62.6 126.4,62.6 125.92,63.08 U11.28@124.375,63.08
MCU_SPI_SCK: J36.4 R122.2 | length 150.8
  Top Copper w0.16: J36.4@3.8,63.91 6.547,61.163 6.547,49.311 14.256,41.602 47.403,41.602 53.703,47.903 82.536,47.903 89.636,55.003 120.603,55.003 121.8,56.2 123.552,57.952 126.652,57.952 128.3,59.6 128.3,61.3 127.911,61.689 127.491,61.689 R122.2@127.48,61.7
MCU_UART_RX: J37.2 U11.13 | length 146.7
  Top Copper w0.127: v1(47.7,51.7) 47.7,50.541 49.141,49.1 54.7,49.1 55.5,49.9 56.941,49.9 57.533,49.308 77.949,49.308 80.349,51.708 83.635,51.708 88.843,56.916 115.816,56.916 117.6,58.7 U11.13@117.6,60.305
  Bottom Copper w0.127: J37.2@3.8,18.21 7.346,21.756 7.346,39.359 11.109,43.122 19.063,43.122 28.695,52.754 45.646,52.754 45.751,52.649 46.7,51.7 v1(47.7,51.7)
MCU_UART_TX: J37.1 U11.12 | length 150.1
  Top Copper w0.127: v1(48.3,51.1) 48.3,50.3 49.246,49.354 54.595,49.354 55.395,50.154 57.046,50.154 57.638,49.562 77.844,49.562 80.244,51.962 83.53,51.962 88.738,57.17 104.1,57.17 114.57,57.17 115.1,57.7 115.1,61.3 115.38,61.58 U11.12@116.325,61.58
  Bottom Copper w0.127: J37.1@3.8,14.4 7.6,18.2 7.6,39.254 11.214,42.868 19.168,42.868 28.8,52.5 45.541,52.5 46.941,51.1 v1(48.3,51.1)
MUX_SEL_1: J2.93 J11.2 Q10.1 TP35_1.1 TP35_2.1 U13_1.2 U13_2.2 | length 139.4
  Top Copper w0.127: v1(120.45,77.25) Q10.1@121.65,77.25 ; v1(124.7,77.3) 135.1,77.3 140.254,72.146 147.054,72.146 148.9,70.3 149.2,70 150.6,70 150.8,69.8 151.45,69.8 U13_1.2@151.975,69.8 153.4,69.8 154.8,71.2 v1(157.1,71.2) ; J2.93@141,47.42 141,41.869 155.369,27.5 v1(155.9,27.5) ; v1(151.5,54.7) v1(156.5,59.7) ; v1(159.2,70.5) 159.9,71.2 163.2,71.2 164.5,69.9 U13_2.2@164.5,68.875
  Bottom Copper w0.127: v1(120.45,77.25) 120.475,77.275 124.675,77.275 v1(124.7,77.3) ; v1(141,46.3) 143.1,46.3 v1(151.5,54.7) ; TP35_2.1@155,72 155.005,71.995 156.305,71.995 v1(157.1,71.2) 158.5,71.2 v1(159.2,70.5) ; v1(155.9,27.5) 155.9,5.85 J11.2@157.6,4.15 ; v1(156.5,59.7) 158.1,61.3 158.1,67.813 159.2,68.913 v1(159.2,70.5) ; TP35_1.1@161,72 159.581,70.581 159.281,70.581 v1(159.2,70.5)
NetBZR1_2: BZR1.2 Q8.3 R101.1 | length 17.4
  Top Copper w0.127: Q8.3@76.4,77 76.4,76.019 76.75,75.669 R101.1@76.75,74.3
  Top Copper w0.3: BZR1.2@68.151,68.1 71.5,71.449 71.5,75.9 72.6,77 Q8.3@76.4,77
NetC1_1_1: C1_1.1 R2_1.2 U1_1.2 | length 9.3
  Top Copper w0.127: R2_1.2@58.18,34.2 59.095,34.2 59.475,34.58 C1_1.1@59.5,34.58 59.525,34.58 60.091,35.146 64.095,35.146 64.846,34.395 64.846,33.746 64.6,33.5 U1_1.2@63.7,33.5
NetC1_1_2: C1_1.2 C41_1.2 R1_1.2 R110_1.1 | length 4.6
  Top Copper w0.127: R1_1.2@58.18,32.9 58.755,32.9 59.475,33.62 C1_1.2@59.5,33.62 60.08,33.62 60.5,33.2 R110_1.1@60.92,33.2 C41_1.2@60.92,34.6
NetC1_2_1: C1_2.1 R2_2.2 U1_2.2 | length 9.3
  Top Copper w0.127: R2_2.2@83.88,34.2 84.795,34.2 85.175,34.58 C1_2.1@85.2,34.58 85.225,34.58 85.791,35.146 89.795,35.146 90.546,34.395 90.546,33.746 90.3,33.5 U1_2.2@89.4,33.5
NetC1_2_2: C1_2.2 C41_2.2 R1_2.2 R110_2.1 | length 4.6
  Top Copper w0.127: R1_2.2@83.88,32.9 84.455,32.9 85.175,33.62 C1_2.2@85.2,33.62 85.78,33.62 86.2,33.2 R110_2.1@86.62,33.2 C41_2.2@86.62,34.6
NetC4_1_1: C4_1.1 R5_1.1 R7_1.2 U1_1.6 | length 6.6
  Top Copper w0.127: R5_1.1@58.18,29 58.2,29.02 C4_1.1@59.5,29.02 59.611,29.131 59.926,29.131 60.775,29.98 R7_1.2@60.8,29.98 60.8,30.4 61.3,30.9 62.3,30.9 U1_1.6@63.7,30.9
NetC4_1_2: C4_1.2 R3_1.1 R6_1.2 U1_1.5 | length 7.6
  Top Copper w0.127: R6_1.2@58.18,31.6 R3_1.1@58.18,30.3 58.18,30.275 58.401,30.054 58.426,30.054 58.5,29.98 C4_1.2@59.5,29.98 59.525,29.98 60.699,31.154 62.554,31.154 62.95,31.55 U1_1.5@63.7,31.55